# Altium PCB sugar65V2_ARGB_QMK(1).PcbDoc (part 2 of 8)
Units mm, origin at the board's own origin, x right, y up, seen from the top; angles counter-clockwise.
Board outline 416.94 x 174.37 mm, 2 copper layers (Top Layer, Bottom Layer); 304 components, 242 nets, 11102 pads, 1014 vias.
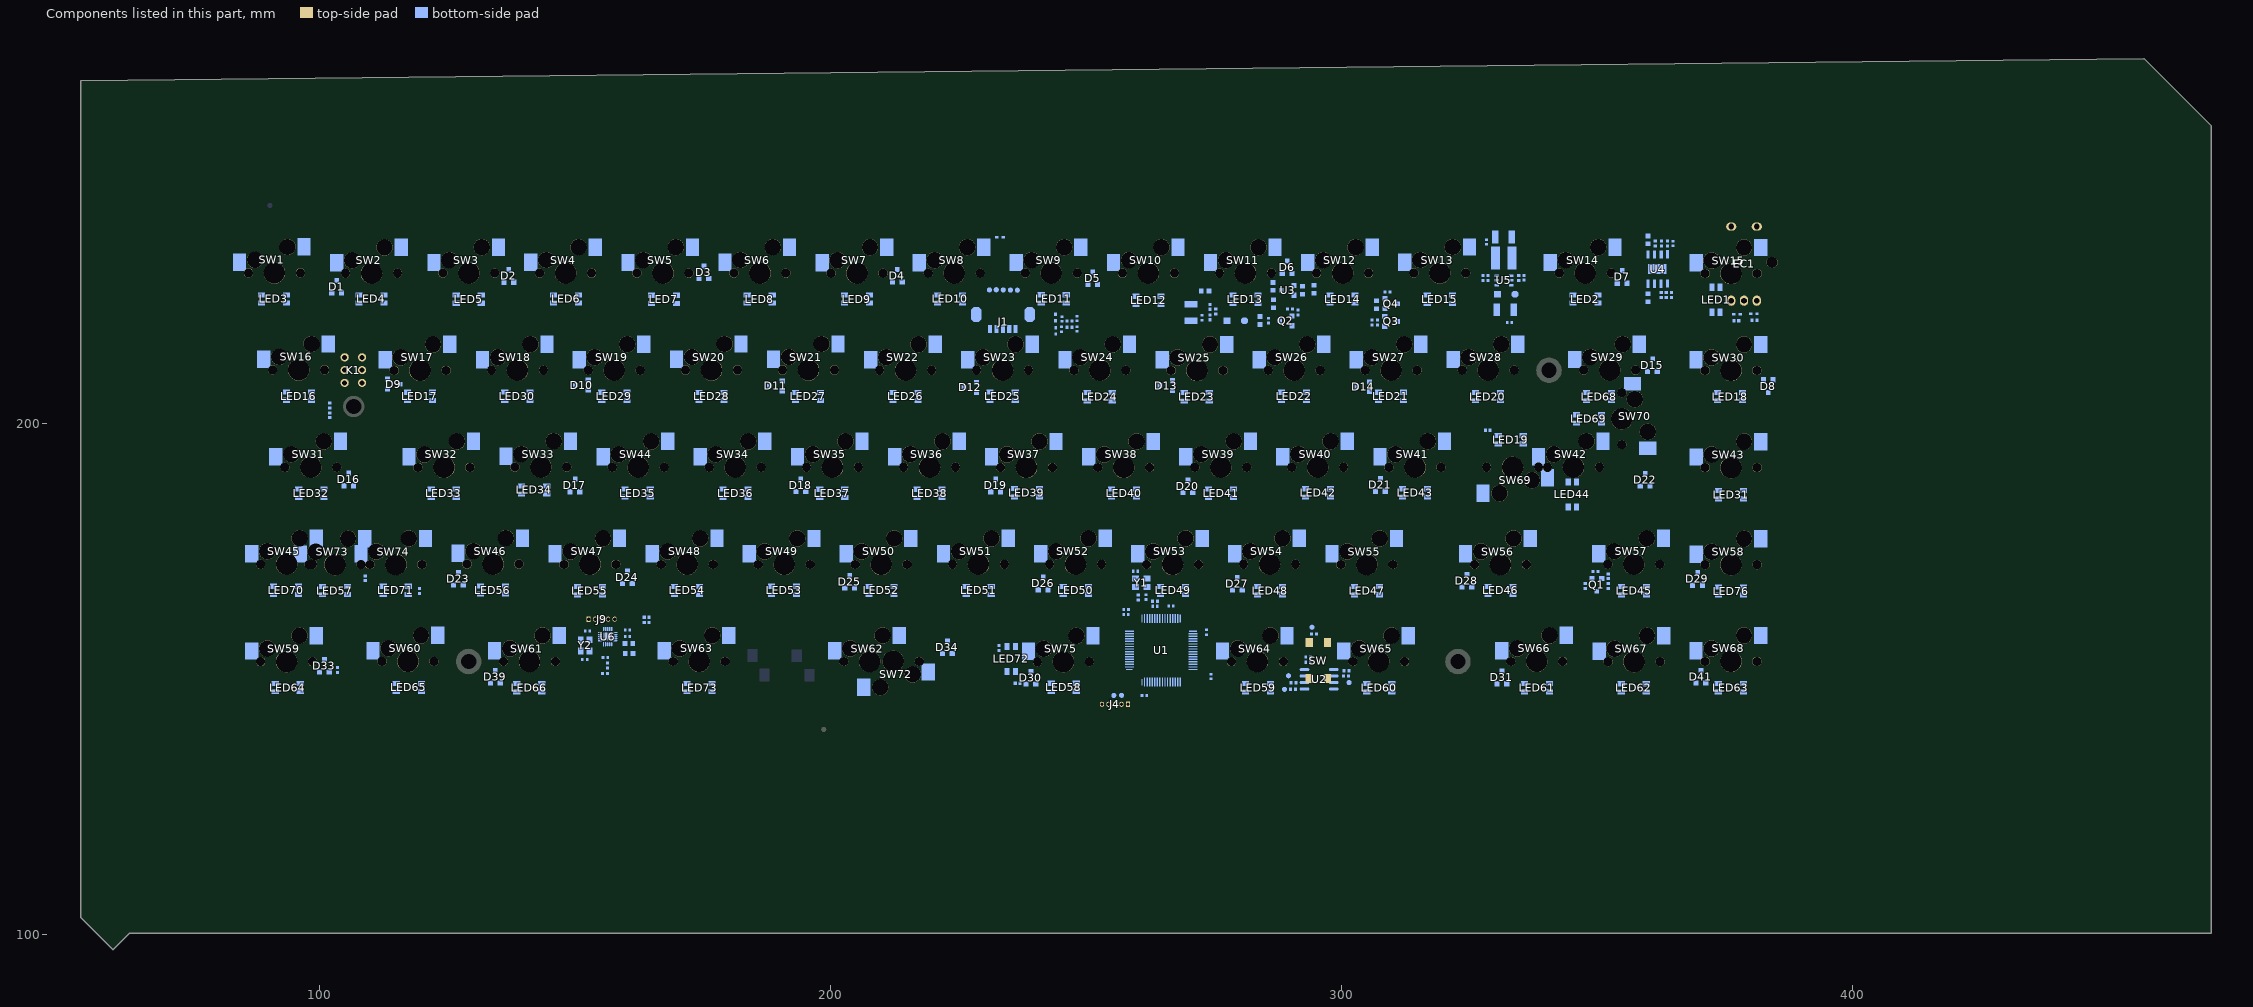
[diagram p2: the components of this part, seen from the top]

## Free pads (board coordinates)
  round 1 smd far side: 0(90.4,242.66)
  round 1 all layers, no hole: 0(198.76,140.14)
  round 0.1 on Mech7: 1(80.945,237.878) 1(80.945,237.878) 1(80.965,144.899) 1(80.965,144.899) 1(82.227,143.559) 1(82.227,143.559) 1(82.402,239.244) 1(82.402,239.244) 1(88.565,242.809) 1(88.565,242.809) 1(88.565,139.989) 1(88.565,139.989) 1(88.565,140.571) 1(88.565,140.571) 1(88.565,242.189) 1(88.565,242.189) 1(89.48,222.69) 1(89.48,222.69) 1(89.48,225.99) 1(89.48,225.99) 1(89.974,240.739) 1(89.974,240.739) 1(89.995,244.259) 1(89.995,244.259) 1(90.056,138.539) 1(90.056,138.539) 1(91.855,146.739) 1(91.855,146.739) 1(91.855,149.939) 1(91.855,149.939) 1(91.855,165.74) 1(91.855,165.74) 1(91.855,168.939) 1(91.855,168.939) 1(93.08,222.69) 1(93.08,222.69) 1(93.08,225.99) 1(93.08,225.99) 1(94.23,203.739) 1(94.23,203.739) 1(94.23,206.939) 1(94.23,206.939) 1(95.455,146.739) 1(95.455,146.739) 1(95.455,149.939) 1(95.455,149.939) 1(96.605,184.739) 1(96.605,184.739) 1(96.605,187.939) 1(96.605,187.939) 1(97.83,203.739) 1(97.83,203.739) 1(97.83,206.939) 1(97.83,206.939) 1(100.205,184.739) 1(100.205,184.739) 1(100.205,187.939) 1(100.205,187.939) 1(101.355,165.739) 1(101.355,165.739) 1(101.355,168.939) 1(101.355,168.939) 1(108.284,142.049) 1(108.284,142.049) 1(108.295,143.549) 1(108.295,143.549) 1(108.305,239.244) 1(108.305,240.744) 1(108.305,239.244) 1(108.305,240.744) 1(108.43,222.74) 1(108.43,222.74) 1(108.43,225.94) 1(108.43,225.94) 1(109.73,200.919) 1(109.73,200.919) 1(109.73,215.328) 1(109.73,215.328) 1(110.23,200.419) 1(110.23,200.419) 1(110.83,215.328) 1(110.83,201.419) 1(110.83,201.419) 1(110.83,215.328) 1(112.13,222.74) 1(112.13,222.74) 1(112.13,225.94) 1(112.13,225.94) 1(112.805,142.044) 1(112.805,142.044) 1(112.805,143.544) 1(112.805,143.544) 1(112.805,239.244) 1(112.805,239.244) 1(112.805,240.744) 1(112.805,240.744) 1(113.23,165.74) 1(113.23,165.74) 1(113.23,168.939) 1(113.23,168.939) 1(115.53,186.719) 1(115.53,186.719) 1(115.53,200.411) 1(115.53,200.411) 1(115.605,146.739) 1(115.605,146.739) 1(115.605,149.939) 1(115.605,149.939) 1(116.83,165.74) 1(116.83,165.74) 1(116.83,168.939) 1(116.83,168.939) 1(117.98,203.739) 1(117.98,203.739) 1(117.98,206.939) 1(117.98,206.939) 1(119.205,146.739) 1(119.205,146.739) 1(119.205,149.939) 1(119.205,149.939) 1(121.58,203.739) 1(121.58,203.739) 1(121.58,206.939) 1(121.58,206.939) 1(122.63,184.739) 1(122.63,184.739) 1(122.63,187.939) 1(122.63,187.939) 1(124.03,167.795) 1(124.03,167.795) 1(124.03,179.995) 1(124.03,179.995) 1(124.53,180.494) 1(124.53,180.494) 1(125.03,167.795) 1(125.03,179.494) 1(125.03,179.494) 1(125.03,167.795) 1(126.23,184.739) 1(126.23,184.739) 1(126.23,187.939) 1(126.23,187.939) 1(127.43,222.74) 1(127.43,222.74) 1(127.43,225.94) 1(127.43,225.94) 1(128.78,201.419) 1(128.78,201.419) 1(128.78,215.419) 1(128.78,215.419) 1(129.83,201.419) 1(129.83,201.419) 1(129.83,215.419) 1(129.83,215.419) 1(131.13,222.74) 1(131.13,222.74) 1(131.13,225.94) 1(131.13,225.94) 1(132.23,165.815) 1(132.23,165.815) 1(132.23,169.015) 1(132.23,169.015) 1(134.53,186.719) 1(134.53,186.719) 1(134.53,200.419) 1(134.53,200.419) 1(135.83,165.815) 1(135.83,165.815) 1(135.83,169.015) 1(135.83,169.015) 1(136.98,203.739) 1(136.98,203.739) 1(136.98,206.939) 1(136.98,206.939) 1(138.805,142.044) 1(138.805,142.044) 1(138.805,143.544) 1(138.805,143.544) 1(138.805,239.244) 1(138.805,239.244) 1(138.805,240.744) 1(138.805,240.744) 1(139.355,146.739) 1(139.355,146.739) 1(139.355,149.939) 1(139.355,149.939) 1(140.58,203.739) 1(140.58,203.739) 1(140.58,206.939) 1(140.58,206.939) 1(141.63,184.739) 1(141.63,184.739) 1(141.63,187.939) 1(141.63,187.939) 1(142.955,146.739) 1(142.955,146.739) 1(142.955,149.939) 1(142.955,149.939) 1(143.03,167.794) 1(143.03,167.795) 1(143.03,179.494) 1(143.03,179.494) 1(143.195,239.249) 1(143.195,239.249) 1(143.195,240.739) 1(143.195,240.739) 1(143.275,142.049) 1(143.275,142.049) 1(143.285,143.539) 1(143.285,143.539) 1(144.03,167.795) 1(144.03,167.795) 1(144.03,179.495) 1(144.03,179.495) 1(145.23,184.739) 1(145.23,184.739) 1(145.23,187.939) 1(145.23,187.939) 1(146.43,222.74) 1(146.43,222.74) 1(146.43,225.94) 1(146.43,225.94) 1(147.78,201.419) 1(147.78,201.419) 1(147.78,215.419) 1(147.78,215.419) 1(148.78,201.419) 1(148.78,201.419) 1(148.78,215.419) 1(148.78,215.419) 1(150.13,222.74) 1(150.13,222.74) 1(150.13,225.94) 1(150.13,225.94) 1(152.53,186.419) 1(152.53,186.419) 1(152.53,200.419) 1(152.53,200.419) 1(153.53,186.419) 1(153.53,186.419) 1(153.53,200.422) 1(153.53,200.422) 1(154.83,165.739) 1(154.83,165.739) 1(154.83,168.939) 1(154.83,168.939) 1(155.98,203.739) 1(155.98,203.739) 1(155.98,206.939) 1(155.98,206.939) 1(159.58,203.739) 1(159.58,203.739) 1(159.58,206.939) 1(159.58,206.939) 1(161.476,138.539) 1(161.476,138.539) 1(161.484,142.039) 1(161.484,142.039) 1(161.536,244.249) 1(161.536,244.249) 1(161.555,239.249) 1(161.555,239.249) 1(161.555,240.744) 1(161.555,240.744) 1(162.03,172.495) 1(162.03,172.495) 1(162.03,179.495) 1(162.03,179.495) 1(163.03,172.495) 1(163.03,172.495) 1(163.03,179.495) 1(163.03,179.495) 1(163.035,242.779) 1(163.035,242.779) 1(163.045,242.208) 1(163.045,242.208) 1(163.045,140.629) 1(163.045,140.629) 1(163.055,140.009) 1(163.055,140.009) 1(164.23,184.739) 1(164.23,184.739) 1(164.23,187.939) 1(164.23,187.939) 1(165.43,222.74) 1(165.43,222.74) 1(165.43,225.94) 1(165.43,225.94) 1(166.78,201.419) 1(166.78,201.419) 1(166.78,215.469) 1(166.78,215.469) 1(167.78,201.419) 1(167.78,201.419) 1(167.78,215.469) 1(167.78,215.469) 1(169.13,222.74) 1(169.13,222.74) 1(169.13,225.94) 1(169.13,225.94) 1(171.53,186.469) 1(171.53,200.422) 1(171.53,200.422) 1(171.53,186.47) 1(172.53,186.469) 1(172.53,200.418) 1(172.53,200.418) 1(172.53,186.469) 1(172.605,146.739) 1(172.605,146.739) 1(172.605,149.939) 1(172.605,149.939) 1(173.83,165.739) 1(173.83,165.739) 1(173.83,168.939) 1(173.83,168.939) 1(174.98,203.739) 1(174.98,203.739) 1(174.98,206.939) 1(174.98,206.939) 1(176.205,146.739) 1(176.205,146.739) 1(176.205,149.939) 1(176.205,149.939) 1(178.58,203.739) 1(178.58,203.739) 1(178.58,206.939) 1(178.58,206.939) 1(181.03,167.795) 1(181.03,167.795) 1(181.03,179.495) 1(181.03,179.495) 1(182.03,167.795) 1(182.03,167.795) 1(182.03,179.494) 1(182.03,179.494) 1(183.23,184.739) 1(183.23,184.739) 1(183.23,187.939) 1(183.23,187.939) 1(185.78,201.419) 1(185.78,201.419) 1(185.78,215.419) 1(185.78,215.419) 1(186.78,201.419) 1(186.78,201.419) 1(186.78,215.419) 1(186.78,215.419) 1(187.568,152.269) 1(187.568,152.269) 1(187.568,155.519) 1(187.568,155.519) 1(188.08,222.69) 1(188.08,222.69) 1(188.08,225.94) 1(188.08,225.94) 1(189.03,179.494) 1(189.03,179.494) 1(189.03,180.494) 1(189.03,180.494) 1(190.53,186.419) 1(190.53,186.419) 1(190.53,200.418) 1(190.53,200.418) 1(191.293,152.269) 1(191.293,152.269) 1(191.293,155.519) 1(191.293,155.519) 1(191.53,186.419) 1(191.53,186.419) 1(191.53,200.419) 1(191.53,200.419) 1(192.83,165.739) 1(192.83,165.739) 1(192.83,168.939) 1(192.83,168.939) 1(193.03,179.503) 1(193.03,180.494) 1(193.03,179.503) 1(193.03,180.494) 1(193.98,203.739) 1(193.98,203.739) 1(193.98,206.939) 1(193.98,206.939) 1(196.535,242.788) 1(196.535,242.788) 1(196.535,242.189) 1(196.535,242.189) 1(197.58,203.739) 1(197.58,203.739) 1(197.58,206.939) 1(197.58,206.939) 1(197.845,138.559) 1(197.845,138.559) 1(197.845,142.049) 1(197.845,142.049) 1(198.024,244.259) 1(198.024,244.259) 1(198.026,240.759) 1(198.026,240.759) 1(198.055,239.219) 1(198.055,239.219) 1(200.03,167.795) 1(200.03,167.795) 1(200.03,179.503) 1(200.03,179.503) 1(201.03,167.795) 1(201.03,167.795) 1(201.03,179.495) 1(201.03,179.495) 1(202.23,184.739) 1(202.23,184.739) 1(202.23,187.939) 1(202.23,187.939) 1(203.48,222.739) 1(203.48,222.739) 1(203.48,225.939) 1(203.48,225.939) 1(204.78,201.419) 1(204.78,201.419) 1(204.78,215.419) 1(204.78,215.419) 1(205.78,201.419) 1(205.78,201.419) 1(205.78,215.419) 1(205.78,215.419) 1(207.08,222.739) 1(207.08,222.739) 1(207.08,225.939) 1(207.08,225.939) 1(208.23,165.739) 1(208.23,165.739) 1(208.23,168.939) 1(208.23,168.939) 1(209.53,186.419) 1(209.53,186.419) 1(209.53,200.419) 1(209.53,200.419) 1(210.53,186.419) 1(210.53,186.419) 1(210.53,200.419) 1(210.53,200.419) 1(211.83,165.739) 1(211.83,165.739) 1(211.83,168.939) 1(211.83,168.939) 1(216.295,142.049) 1(216.295,142.049) 1(216.295,143.539) 1(216.295,143.539) 1(216.341,240.749) 1(216.341,240.749) 1(216.352,239.229) 1(216.352,239.229) 1(216.58,203.739) 1(216.58,203.739) 1(216.58,206.939) 1(216.58,206.939) 1(217.63,184.739) 1(217.63,184.739) 1(217.63,187.939) 1(217.63,187.939) 1(219.03,167.795) 1(219.03,167.795) 1(219.03,179.495) 1(219.03,179.495) 1(220.03,167.795) 1(220.03,167.795) 1(220.03,179.495) 1(220.03,179.495) 1(220.805,142.044) 1(220.805,142.044) 1(220.805,143.544) 1(220.805,143.544) 1(220.805,239.244) 1(220.805,239.244) 1(220.805,240.744) 1(220.805,240.744) 1(221.23,184.739) 1(221.23,184.739) 1(221.23,187.939) 1(221.23,187.939) 1(221.685,222.69) 1(221.685,222.69) 1(221.685,225.94) 1(221.685,225.94) 1(223.777,201.419) 1(223.777,201.419) 1(223.777,215.419) 1(223.777,215.419) 1(224.78,201.419) 1(224.78,201.419) 1(224.78,215.419) 1(224.78,215.419) 1(225.255,222.69) 1(225.255,222.69) 1(225.255,225.94) 1(225.255,225.94) 1(227.23,165.739) 1(227.23,165.739) 1(227.23,168.939) 1(227.23,168.939) 1(228.53,186.419) 1(228.53,186.419) 1(228.53,200.419) 1(228.53,200.419) 1(229.53,186.419) 1(229.53,186.419) 1(229.53,200.419) 1(229.53,200.419) 1(230.83,165.739) 1(230.83,165.739) 1(230.83,168.939) 1(230.83,168.939) 1(233.768,152.044) 1(233.768,152.044) 1(233.768,155.794) 1(233.768,155.794) 1(235.58,203.739) 1(235.58,203.739) 1(235.58,206.939) 1(235.58,206.939) 1(236.63,184.739) 1(236.63,184.739) 1(236.63,187.939) 1(236.63,187.939) 1(237.068,152.044) 1(237.068,152.044) 1(237.068,155.794) 1(237.068,155.794) 1(238.03,167.795) 1(238.03,167.795) 1(238.03,179.495) 1(238.03,179.495) 1(239.03,167.795) 1(239.03,167.795) 1(239.03,179.494) 1(239.03,179.494) 1(240.23,184.739) 1(240.23,184.739) 1(240.23,187.939) 1(240.23,187.939) 1(241.985,222.74) 1(241.985,222.74) 1(241.985,225.94) 1(241.985,225.94) 1(242.78,201.419) 1(242.78,201.419) 1(242.78,215.419) 1(242.78,215.419) 1(243.78,215.419) 1(243.78,201.419) 1(243.78,201.419) 1(243.78,215.419) 1(243.855,146.739) 1(243.855,146.739) 1(243.855,149.939) 1(243.855,149.939) 1(245.585,222.74) 1(245.585,222.74) 1(245.585,225.94) 1(245.585,225.94) 1(246.03,179.494) 1(246.03,180.494) 1(246.03,179.494) 1(246.03,180.494) 1(246.23,165.739) 1(246.23,165.739) 1(246.23,168.939) 1(246.23,168.939) 1(246.805,142.044) 1(246.805,142.044) 1(246.805,143.544) 1(246.805,143.544) 1(246.805,239.244) 1(246.805,239.244) 1(246.805,240.744) 1(246.805,240.744) 1(247.455,146.739) 1(247.455,146.739) 1(247.455,149.939) 1(247.455,149.939) 1(247.53,186.419) 1(247.53,186.419) 1(247.53,200.419) 1(247.53,200.419) 1(248.53,186.419) 1(248.53,186.419) 1(248.53,200.419) 1(248.53,200.419) 1(249.83,165.739) 1(249.83,165.739) 1(249.83,168.939) 1(249.83,168.939) 1(250.03,179.494) 1(250.03,180.494) 1(251.295,142.049) 1(251.295,142.049) 1(251.296,143.549) 1(251.296,143.549) 1(251.305,239.239) 1(251.305,239.239) 1(251.305,240.744) 1(251.305,240.744) 1(254.58,203.739) 1(254.58,203.739) 1(254.58,206.939) 1(254.58,206.939) 1(254.805,240.759) 1(254.805,240.759) 1(255.63,184.739) 1(255.63,184.739) 1(255.63,187.939) 1(255.63,187.939) 1(257.03,167.794) 1(257.03,167.795) 1(257.03,179.494) 1(257.03,179.494) 1(258.03,167.795) 1(258.03,167.795) 1(258.03,179.494) 1(258.03,179.494) 1(259.23,184.739) 1(259.23,184.739) 1(259.23,187.939) 1(259.23,187.939) 1(260.48,222.739) 1(260.48,222.739) 1(260.48,225.939) 1(260.48,225.939) 1(261.78,201.419) 1(261.78,201.419) 1(261.78,215.419) 1(261.78,215.419) 1(262.78,201.419) 1(262.78,201.419) 1(262.78,215.419) 1(262.78,215.419) 1(264.08,222.739) 1(264.08,222.739) 1(264.08,225.939) 1(264.08,225.939) 1(265.23,165.739) 1(265.23,165.739) 1(265.23,168.939) 1(265.23,168.939) 1(266.53,186.419) 1(266.53,186.419) 1(266.53,200.419) 1(266.53,200.419) 1(267.53,186.419) 1(267.53,186.419) 1(267.53,200.419) 1(267.53,200.419) 1(268.83,165.739) 1(268.83,165.739) 1(268.83,168.939) 1(268.83,168.939) 1(269.265,142.039) 1(269.265,142.039) 1(269.265,143.529) 1(269.265,143.529) 1(269.484,142.039) 1(269.484,142.039) 1(269.514,138.539) 1(269.514,138.539) 1(269.554,244.259) 1(269.554,244.259) 1(269.554,240.744) 1(269.554,240.744) 1(271.045,140.619) 1(271.045,140.619) 1(271.055,242.82) 1(271.055,242.82) 1(271.055,242.219) 1(271.055,242.219) 1(271.055,140.019) 1(271.055,140.019) 1(274.63,184.739) 1(274.63,184.739) 1(274.63,187.939) 1(274.63,187.939) 1(276.03,167.795) 1(276.03,179.494) 1(276.03,179.494) 1(276.03,167.795) 1(277.03,167.795) 1(277.03,179.495) 1(277.03,179.495) 1(277.03,167.794) 1(278.23,184.739) 1(278.23,184.739) 1(278.23,187.939) 1(278.23,187.939) 1(279.48,222.739) 1(279.48,222.739) 1(279.48,225.939) 1(279.48,225.939) 1(280.785,215.419) 1(280.785,201.419) 1(280.785,201.419) 1(280.785,215.419) 1(281.78,201.419) 1(281.78,201.419) 1(281.78,215.419) 1(281.78,215.419) 1(281.855,146.739) 1(281.855,146.739) 1(281.855,149.939) 1(281.855,149.939) 1(283.08,222.739) 1(283.08,222.739) 1(283.08,225.939) 1(283.08,225.939) 1(284.23,165.739) 1(284.23,165.739) 1(284.23,168.939) 1(284.23,168.939) 1(285.455,146.739) 1(285.455,146.739) 1(285.455,149.939) 1(285.455,149.939) 1(285.53,186.419) 1(285.53,200.419) 1(285.53,200.419) 1(285.53,186.419) 1(286.53,186.419) 1(286.53,186.419) 1(286.53,200.419) 1(286.53,200.419) 1(287.83,165.739) 1(287.83,165.739) 1(287.83,168.939) 1(287.83,168.939) 1(288.98,203.739) 1(288.98,203.739) 1(288.98,206.939) 1(288.98,206.939) 1(292.58,203.739) 1(292.58,203.739) 1(292.58,206.939) 1(292.58,206.939) 1(293.63,184.739) 1(293.63,184.739) 1(293.63,187.939) 1(293.63,187.939) 1(295.03,167.795) 1(295.03,167.795) 1(295.03,179.495) 1(295.03,179.495) 1(296.03,167.795) 1(296.03,179.498) 1(296.03,179.498) 1(296.03,167.795) 1(297.23,184.739) 1(297.23,184.739) 1(297.23,187.939) 1(297.23,187.939) 1(298.48,222.739) 1(298.48,222.739) 1(298.48,225.939) 1(298.48,225.939) 1(299.78,201.419) 1(299.78,201.419) 1(299.78,215.419) 1(299.78,215.419) 1(300.78,201.419) 1(300.78,201.419) 1(300.78,215.419) 1(300.78,215.419) 1(302.08,222.739) 1(302.08,222.739) 1(302.08,225.939) 1(302.08,225.939) 1(303.23,165.739) 1(303.23,165.739) 1(303.23,168.939) 1(303.23,168.939) 1(304.53,186.419) 1(304.53,186.419) 1(304.53,200.419) 1(304.53,200.419) 1(304.555,140.029) 1(304.555,140.029) 1(304.555,242.245) 1(304.555,242.245) 1(304.555,242.744) 1(304.555,242.744) 1(304.555,140.59) 1(304.555,140.59) 1(305.53,186.42) 1(305.53,186.419) 1(305.53,200.434) 1(305.53,200.434) 1(305.605,146.739) 1(305.605,146.739) 1(305.605,149.939) 1(305.605,149.939) 1(306.043,138.549) 1(306.043,138.549) 1(306.046,142.049) 1(306.046,142.049) 1(306.053,240.739) 1(306.053,240.739) 1(306.055,244.258) 1(306.055,244.258) 1(306.83,165.739) 1(306.83,165.739) 1(306.83,168.939) 1(306.83,168.939) 1(307.98,203.739) 1(307.98,203.739) 1(307.98,206.939) 1(307.98,206.939) 1(309.205,146.739) 1(309.205,146.739) 1(309.205,149.939) 1(309.205,149.939) 1(311.58,203.739) 1(311.58,203.739) 1(311.58,206.939) 1(311.58,206.939) 1(312.63,184.739) 1(312.63,184.739) 1(312.63,187.939) 1(312.63,187.939) 1(314.03,167.794) 1(314.03,167.795) 1(314.03,179.498) 1(314.03,179.498) 1(314.53,180.494) 1(314.53,180.494) 1(315.055,167.795) 1(315.055,179.969) 1(315.055,179.969) 1(315.055,167.794) 1(316.23,184.739) 1(316.23,184.739) 1(316.23,187.939) 1(316.23,187.939) 1(317.48,222.739) 1(317.48,222.739) 1(317.48,225.939) 1(317.48,225.939) 1(318.782,201.419) 1(318.782,201.419) 1(318.782,215.419) 1(318.782,215.419) 1(319.78,201.418) 1(319.78,201.418) 1(319.78,215.419) 1(319.78,215.419) 1(321.485,239.239) 1(321.485,239.239) 1(323.53,186.419) 1(323.53,186.419) 1(323.53,200.434) 1(323.53,200.434) 1(324.265,142.049) 1(324.265,142.049) 1(324.287,143.529) 1(324.287,143.529) 1(324.305,142.059) 1(324.305,142.059) 1(324.305,239.244) 1(324.305,239.244) 1(324.305,240.739) 1(324.305,240.739) 1(324.48,186.419) 1(324.48,186.419) 1(324.48,200.394) 1(324.48,200.394) 1(326.98,203.739) 1(326.98,203.739) 1(326.98,206.939) 1(326.98,206.939) 1(328.805,142.044) 1(328.805,142.044) 1(328.805,143.544) 1(328.805,143.544) 1(328.805,239.244) 1(328.805,239.244) 1(328.805,240.744) 1(328.805,240.744) 1(328.805,240.745) 1(328.805,240.745) 1(329.355,165.739) 1(329.355,165.739) 1(329.355,168.939) 1(329.355,168.939) 1(330.58,203.739) 1(330.58,203.739) 1(330.58,206.939) 1(330.58,206.939) 1(331.78,194.795) 1(331.78,194.795) 1(331.78,198.495) 1(331.78,198.495) 1(332.955,165.739) 1(332.955,165.739) 1(332.955,168.939) 1(332.955,168.939) 1(335.03,194.795) 1(335.03,194.795) 1(335.03,198.495) 1(335.03,198.495) 1(336.48,146.739) 1(336.48,146.739) 1(336.48,149.939) 1(336.48,149.939) 1(336.78,201.418) 1(336.78,201.418) 1(336.78,215.419) 1(336.78,215.419) 1(337.255,200.394) 1(337.255,200.394) 1(337.78,200.919) 1(337.78,215.419) 1(337.78,215.419) 1(337.78,200.919) 1(343.615,184.32) 1(343.615,184.32) 1(343.615,187.889) 1(343.615,187.889) 1(345.98,222.739) 1(345.98,222.739) 1(345.98,225.939) 1(345.98,225.939) 1(346.774,199.294) 1(346.774,199.294) 1(346.774,202.544) 1(346.774,202.544) 1(346.826,184.32) 1(346.826,184.32) 1(346.826,187.889) 1(346.826,187.889) 1(349.58,222.739) 1(349.58,222.739) 1(349.58,225.939) 1(349.58,225.939) 1(350.574,199.294) 1(350.574,199.294) 1(350.574,202.544) 1(350.574,202.544) 1(352.246,203.637) 1(352.246,203.637) 1(352.246,206.837) 1(352.246,206.837) 1(354.805,239.244) 1(354.805,240.744) 1(354.805,142.044) 1(354.805,142.044) 1(354.805,143.544) 1(354.805,143.544) 1(354.805,239.244) 1(354.805,240.744) 1(355.48,146.739) 1(355.48,146.739) 1(355.48,149.939) 1(355.48,149.939) 1(355.48,165.739) 1(355.48,165.739) 1(355.48,168.939) 1(355.48,168.939) 1(359.305,142.029) 1(359.305,142.029) 1(359.305,143.539) 1(359.305,143.539) 1(359.305,239.245) 1(359.305,239.245) 1(359.305,240.744) 1(359.305,240.744) 1(371.658,222.393) 1(371.658,222.393) 1(371.658,226.107) 1(371.658,226.107) 1(374.48,146.739) 1(374.48,146.739) 1(374.48,149.939) 1(374.48,149.939) 1(374.48,165.663) 1(374.48,165.663) 1(374.48,168.863) 1(374.48,168.863) 1(374.48,184.663) 1(374.48,184.663) 1(374.48,187.863) 1(374.48,187.863) 1(374.48,203.663) 1(374.48,203.663) 1(374.48,206.863) 1(374.48,206.863) 1(375.136,222.393) 1(375.136,222.393) 1(375.136,226.107) 1(375.136,226.107) 1(377.554,244.258) 1(377.554,244.258) 1(377.555,240.749) 1(377.565,142.039) 1(377.565,142.039) 1(377.576,138.539) 1(377.576,138.539) 1(379.053,242.247) 1(379.053,242.247) 1(379.062,242.752) 1(379.062,242.752) 1(379.065,140.6) 1(379.065,140.6) 1(379.065,139.98) 1(379.065,139.98) 1(385.254,143.539) 1(385.254,143.539) 1(385.326,239.259) 1(385.326,239.259) 1(386.655,237.918)
  round 0.13 on Mech8: 1(83.582,221.201) 1(83.582,221.201) 1(83.582,236.701) 1(83.582,236.701) 1(85.957,145.201) 1(85.957,145.201) 1(85.957,160.701) 1(85.957,160.701) 1(85.958,164.202) 1(85.958,164.202) 1(85.958,179.702) 1(85.958,179.702) 1(88.332,202.201) 1(88.332,202.201) 1(88.332,217.701) 1(88.332,217.701) 1(90.707,183.201) 1(90.707,183.201) 1(90.707,198.701) 1(90.707,198.701) 1(95.457,164.201) 1(95.457,164.201) 1(95.457,179.701) 1(95.457,179.701) 1(98.882,221.201) 1(98.882,221.201) 1(98.882,236.701) 1(98.882,236.701) 1(101.257,145.201) 1(101.257,145.201) 1(101.257,160.701) 1(101.257,160.701) 1(101.258,164.202) 1(101.258,164.202) 1(101.258,179.702) 1(101.258,179.702) 1(102.583,221.201) 1(102.583,221.201) 1(102.583,236.701) 1(102.583,236.701) 1(103.632,202.201) 1(103.632,202.201) 1(103.632,217.701) 1(103.632,217.701) 1(106.007,183.201) 1(106.007,183.201) 1(106.007,198.701) 1(106.007,198.701) 1(107.333,164.202) 1(107.333,164.202) 1(107.333,179.702) 1(107.333,179.702) 1(109.708,145.201) 1(109.708,145.201) 1(109.708,160.701) 1(109.708,160.701) 1(110.757,164.201) 1(110.757,164.201) 1(110.757,179.701) 1(110.757,179.701) 1(112.083,202.201) 1(112.083,202.201) 1(112.083,217.701) 1(112.083,217.701) 1(116.733,183.201) 1(116.733,183.201) 1(116.733,198.701) 1(116.733,198.701) 1(117.882,221.201) 1(117.882,221.201) 1(117.882,236.701) 1(117.882,236.701) 1(121.583,221.201) 1(121.583,221.201) 1(121.583,236.701) 1(121.583,236.701) 1(122.633,164.202) 1(122.633,164.202) 1(122.633,179.702) 1(122.633,179.702) 1(125.007,145.201) 1(125.007,145.201) 1(125.007,160.701) 1(125.007,160.701) 1(126.333,164.277) 1(126.333,164.277) 1(126.333,179.777) 1(126.333,179.777) 1(127.382,202.201) 1(127.382,202.201) 1(127.382,217.701) 1(127.382,217.701) 1(131.083,202.201) 1(131.083,202.201) 1(131.083,217.701) 1(131.083,217.701) 1(132.032,183.201) 1(132.032,183.201) 1(132.032,198.701) 1(132.032,198.701) 1(133.458,145.201) 1(133.458,145.201) 1(133.458,160.701) 1(133.458,160.701) 1(135.733,183.201) 1(135.733,183.201) 1(135.733,198.701) 1(135.733,198.701) 1(136.882,221.201) 1(136.882,221.201) 1(136.882,236.701) 1(136.882,236.701) 1(140.583,221.201) 1(140.583,221.201) 1(140.583,236.701) 1(140.583,236.701) 1(141.632,164.277) 1(141.632,164.277) 1(141.632,179.777) 1(141.632,179.777) 1(145.333,164.201) 1(145.333,164.201) 1(145.333,179.701) 1(145.333,179.701) 1(146.382,202.201) 1(146.382,202.201) 1(146.382,217.701) 1(146.382,217.701) 1(148.757,145.201) 1(148.757,145.201) 1(148.757,160.701) 1(148.757,160.701) 1(150.083,202.201) 1(150.083,202.201) 1(150.083,217.701) 1(150.083,217.701) 1(151.032,183.201) 1(151.032,183.201) 1(151.032,198.701) 1(151.032,198.701) 1(154.733,183.201) 1(154.733,183.201) 1(154.733,198.701) 1(154.733,198.701) 1(155.883,221.201) 1(155.883,221.201) 1(155.883,236.701) 1(155.883,236.701) 1(159.583,221.201) 1(159.583,221.201) 1(159.583,236.701) 1(159.583,236.701) 1(160.633,164.201) 1(160.633,164.201) 1(160.633,179.701) 1(160.633,179.701) 1(164.333,164.201) 1(164.333,164.201) 1(164.333,179.701) 1(164.333,179.701) 1(165.383,202.201) 1(165.383,202.201) 1(165.383,217.701) 1(165.383,217.701) 1(166.708,145.201) 1(166.708,145.201) 1(166.708,160.701) 1(166.708,160.701) 1(169.083,202.201) 1(169.083,202.201) 1(169.083,217.701) 1(169.083,217.701) 1(170.033,183.201) 1(170.033,183.201) 1(170.033,198.701) 1(170.033,198.701) 1(173.733,183.201) 1(173.733,183.201) 1(173.733,198.701) 1(173.733,198.701) 1(174.883,221.201) 1(174.883,221.201) 1(174.883,236.701) 1(174.883,236.701) 1(178.583,221.201) 1(178.583,221.201) 1(178.583,236.701) 1(178.583,236.701) 1(179.633,164.201) 1(179.633,164.201) 1(179.633,179.701) 1(179.633,179.701) 1(182.008,145.201) 1(182.008,145.201) 1(182.008,160.701) 1(182.008,160.701) 1(183.333,164.201) 1(183.333,164.201) 1(183.333,179.701) 1(183.333,179.701) 1(184.383,202.201) 1(184.383,202.201) 1(184.383,217.701) 1(184.383,217.701) 1(188.083,202.201) 1(188.083,202.201) 1(188.083,217.701) 1(188.083,217.701) 1(189.033,183.201) 1(189.033,183.201) 1(189.033,198.701) 1(189.033,198.701) 1(192.733,183.201) 1(192.733,183.201) 1(192.733,198.701) 1(192.733,198.701) 1(193.883,221.201) 1(193.883,221.201) 1(193.883,236.701) 1(193.883,236.701) 1(197.583,221.201) 1(197.583,221.201) 1(197.583,236.701) 1(197.583,236.701) 1(198.633,164.201) 1(198.633,164.201) 1(198.633,179.701) 1(198.633,179.701) 1(200.084,145.201) 1(200.084,145.201) 1(200.084,160.701) 1(200.084,160.701) 1(202.333,164.201) 1(202.333,164.201) 1(202.333,179.701) 1(202.333,179.701) 1(203.383,202.201) 1(203.383,202.201) 1(203.383,217.701) 1(203.383,217.701) 1(204.802,146.137) 1(204.802,146.137) 1(204.802,161.637) 1(204.802,161.637) 1(207.083,202.201) 1(207.083,202.201) 1(207.083,217.701) 1(207.083,217.701) 1(208.033,183.201) 1(208.033,183.201) 1(208.033,198.701) 1(208.033,198.701) 1(211.733,183.201) 1(211.733,183.201) 1(211.733,198.701) 1(211.733,198.701) 1(212.883,221.201) 1(212.883,221.201) 1(212.883,236.701) 1(212.883,236.701) 1(215.384,145.201) 1(215.384,145.201) 1(215.384,160.701) 1(215.384,160.701) 1(216.583,221.201) 1(216.583,221.201) 1(216.583,236.701) 1(216.583,236.701) 1(217.633,164.201) 1(217.633,164.201) 1(217.633,179.701) 1(217.633,179.701) 1(220.102,146.137) 1(220.102,146.137) 1(220.102,161.637) 1(220.102,161.637) 1(221.333,164.201) 1(221.333,164.201) 1(221.333,179.701) 1(221.333,179.701) 1(222.383,202.201) 1(222.383,202.201) 1(222.383,217.701) 1(222.383,217.701) 1(226.083,202.201) 1(226.083,202.201) 1(226.083,217.701) 1(226.083,217.701) 1(227.033,183.201) 1(227.033,183.201) 1(227.033,198.701) 1(227.033,198.701) 1(230.733,183.201) 1(230.733,183.201) 1(230.733,198.701) 1(230.733,198.701) 1(231.883,221.201) 1(231.883,221.201) 1(231.883,236.701) 1(231.883,236.701) 1(235.583,221.201) 1(235.583,221.201) 1(235.583,236.701) 1(235.583,236.701) 1(236.633,164.201) 1(236.633,164.201) 1(236.633,179.701) 1(236.633,179.701) 1(237.958,145.201) 1(237.958,145.201) 1(237.958,160.701) 1(237.958,160.701) 1(240.333,164.201) 1(240.333,164.201) 1(240.333,179.701) 1(240.333,179.701) 1(241.383,202.201) 1(241.383,202.201) 1(241.383,217.701) 1(241.383,217.701) 1(245.083,202.201) 1(245.083,202.201) 1(245.083,217.701) 1(245.083,217.701) 1(246.033,183.201) 1(246.033,183.201) 1(246.033,198.701) 1(246.033,198.701) 1(249.733,183.201) 1(249.733,183.201) 1(249.733,198.701) 1(249.733,198.701) 1(250.883,221.201) 1(250.883,221.201) 1(250.883,236.701) 1(250.883,236.701) 1(253.258,145.201) 1(253.258,145.201) 1(254.583,221.201) 1(254.583,221.201) 1(254.583,236.701) 1(254.583,236.701) 1(255.633,164.201) 1(255.633,164.201) 1(255.633,179.701) 1(255.633,179.701) 1(259.333,164.201) 1(259.333,164.201) 1(259.333,179.701) 1(259.333,179.701) 1(260.383,202.201) 1(260.383,202.201) 1(260.383,217.701) 1(260.383,217.701) 1(264.083,202.201) 1(264.083,202.201) 1(264.083,217.701) 1(264.083,217.701) 1(265.033,183.201) 1(265.033,183.201) 1(265.033,198.701) 1(265.033,198.701) 1(268.733,183.201) 1(268.733,183.201) 1(268.733,198.701) 1(268.733,198.701) 1(269.883,221.201) 1(269.883,221.201) 1(269.883,236.701) 1(269.883,236.701) 1(273.583,221.201) 1(273.583,221.201) 1(273.583,236.701) 1(273.583,236.701) 1(274.633,164.201) 1(274.633,164.201) 1(274.633,179.701) 1(274.633,179.701) 1(275.958,145.201) 1(275.958,145.201) 1(275.958,160.701) 1(275.958,160.701) 1(278.333,164.201) 1(278.333,164.201) 1(278.333,179.701) 1(278.333,179.701) 1(279.383,202.201) 1(279.383,202.201) 1(279.383,217.701) 1(279.383,217.701) 1(283.083,202.201) 1(283.083,202.201) 1(283.083,217.701) 1(283.083,217.701) 1(284.033,183.201) 1(284.033,183.201) 1(284.033,198.701) 1(284.033,198.701) 1(287.733,183.201) 1(287.733,183.201) 1(287.733,198.701) 1(287.733,198.701) 1(288.883,221.201) 1(288.883,221.201) 1(288.883,236.701) 1(288.883,236.701) 1(291.258,145.201) 1(291.258,145.201) 1(291.258,160.701) 1(291.258,160.701) 1(292.583,221.201) 1(292.583,221.201) 1(292.583,236.701) 1(292.583,236.701) 1(293.633,164.201) 1(293.633,164.201) 1(293.633,179.701) 1(293.633,179.701) 1(297.333,164.201) 1(297.333,164.201) 1(297.333,179.701) 1(297.333,179.701) 1(297.941,241.997) 1(297.941,241.997) 1(298.383,202.201) 1(298.383,202.201) 1(298.383,217.701) 1(298.383,217.701) 1(299.708,145.201) 1(299.708,145.201) 1(299.708,160.701) 1(299.708,160.701) 1(302.083,202.201) 1(302.083,202.201) 1(302.083,217.701) 1(302.083,217.701) 1(303.033,183.201) 1(303.033,183.201) 1(303.033,198.701) 1(303.033,198.701) 1(306.733,183.201) 1(306.733,183.201) 1(306.733,198.701) 1(306.733,198.701) 1(307.883,221.201) 1(307.883,221.201) 1(307.883,236.701) 1(307.883,236.701) 1(311.583,221.201) 1(311.583,221.201) 1(311.583,236.701) 1(311.583,236.701) 1(312.633,164.201) 1(312.633,164.201) 1(312.633,179.701) 1(312.633,179.701) 1(315.008,145.201) 1(315.008,145.201) 1(315.008,160.701) 1(315.008,160.701) 1(317.383,202.201) 1(317.383,202.201) 1(317.383,217.701) 1(317.383,217.701) 1(321.083,202.201) 1(321.083,202.201) 1(321.083,217.701) 1(321.083,217.701) 1(322.033,183.201) 1(322.033,183.201) 1(322.033,198.701) 1(322.033,198.701) 1(323.458,164.201) 1(323.458,164.201) 1(323.458,179.701) 1(323.458,179.701) 1(325.927,184.137) 1(325.927,184.137) 1(325.927,199.637) 1(325.927,199.637) 1(326.883,221.201) 1(326.883,221.201) 1(326.883,236.701) 1(326.883,236.701) 1(327.069,251.138) 1(327.069,251.138) 1(330.583,145.201) 1(330.583,145.201) 1(330.583,160.701) 1(330.583,160.701) 1(336.383,202.201) 1(336.383,202.201) 1(336.383,217.701) 1(336.383,217.701) 1(337.708,183.201) 1(337.708,183.201) 1(337.708,198.701) 1(337.708,198.701) 1(338.758,179.701) 1(338.758,179.701) 1(340.083,221.201) 1(340.083,221.201) 1(340.083,236.701) 1(340.083,236.701) 1(341.227,184.137) 1(341.227,184.137) 1(341.227,199.637) 1(341.227,199.637) 1(344.833,202.201) 1(344.833,202.201) 1(344.833,217.701) 1(344.833,217.701) 1(345.883,145.201) 1(345.883,145.201) 1(345.883,160.701) 1(345.883,160.701) 1(346.687,193.317) 1(346.687,193.317) 1(346.687,208.617) 1(346.687,208.617) 1(349.583,145.201) 1(349.583,145.201) 1(349.583,160.701) 1(349.583,160.701) 1(349.583,179.701) 1(349.583,179.701) 1(353.008,183.201) 1(353.008,183.201) 1(353.008,198.701) 1(353.008,198.701) 1(355.383,221.201) 1(355.383,221.201) 1(355.383,236.701) 1(355.383,236.701) 1(360.133,202.201) 1(360.133,202.201) 1(360.133,217.701) 1(360.133,217.701) 1(362.187,193.317) 1(362.187,193.317) 1(362.187,208.617) 1(362.187,208.617) 1(364.883,145.201) 1(364.883,145.201) 1(364.883,160.701) 1(364.883,160.701) 1(364.883,164.201) 1(364.883,164.201) 1(364.883,179.701) 1(364.883,179.701) 1(368.583,145.201) 1(368.583,145.201) 1(368.583,160.701) 1(368.583,160.701) 1(368.583,164.125) 1(368.583,164.125) 1(368.583,179.625) 1(368.583,179.625) 1(368.583,183.125) 1(368.583,183.125) 1(368.583,198.625) 1(368.583,198.625) 1(368.583,202.125) 1(368.583,202.125) 1(368.583,217.625) 1(368.583,217.625) 1(368.583,221.125) 1(368.583,221.125) 1(368.583,236.625) 1(368.583,236.625) 1(383.883,145.201) 1(383.883,145.201) 1(383.883,160.701) 1(383.883,160.701) 1(383.883,164.125) 1(383.883,164.125) 1(383.883,179.625) 1(383.883,179.625) 1(383.883,183.125) 1(383.883,183.125) 1(383.883,198.625) 1(383.883,198.625) 1(383.883,202.125) 1(383.883,202.125) 1(383.883,217.625) 1(383.883,217.625) 1(383.883,221.125) 1(383.883,221.125) 1(383.883,236.625) 1(383.883,236.625)
  round 2.003 on Mech12: 1(86.2,229.419) 1(88.575,153.419) 1(88.575,172.42) 1(90.95,210.419) 1(93.325,191.419) 1(96.36,229.419) 1(98.075,172.419) 1(98.735,153.419) 1(98.735,172.42) 1(101.11,210.419) 1(103.485,191.419) 1(105.2,229.419) 1(108.235,172.419) 1(109.95,172.42) 1(112.325,153.419) 1(114.7,210.419) 1(115.36,229.419) 1(119.35,191.419) 1(120.11,172.42) 1(122.485,153.419) 1(124.2,229.419) 1(124.86,210.419) 1(128.95,172.495) 1(129.51,191.419) 1(133.7,210.419) 1(134.36,229.419) 1(136.075,153.419) 1(138.35,191.419) 1(139.11,172.495) 1(143.2,229.419) 1(143.86,210.419) 1(146.235,153.419) 1(147.95,172.419) 1(148.51,191.419) 1(152.7,210.419) 1(153.36,229.419) 1(157.35,191.419) 1(158.11,172.419) 1(162.2,229.419) 1(162.86,210.419) 1(166.95,172.419) 1(167.51,191.419) 1(169.325,153.419) 1(171.7,210.419) 1(172.36,229.419) 1(176.35,191.419) 1(177.11,172.419) 1(179.485,153.419) 1(181.2,229.419) 1(181.86,210.419) 1(185.95,172.419) 1(186.51,191.419) 1(190.7,210.419) 1(191.36,229.419) 1(195.35,191.419) 1(196.11,172.419) 1(200.2,229.419) 1(200.86,210.419) 1(202.701,153.419) 1(204.95,172.419) 1(205.51,191.419) 1(207.325,153.419) 1(209.7,210.419) 1(210.36,229.419) 1(212.861,153.419) 1(214.35,191.419) 1(215.11,172.419) 1(217.485,153.419) 1(219.2,229.419) 1(219.86,210.419) 1(223.95,172.419) 1(224.51,191.419) 1(228.7,210.419) 1(229.36,229.419) 1(233.35,191.419) 1(234.11,172.419) 1(238.2,229.419) 1(238.86,210.419) 1(240.575,153.419) 1(242.95,172.419) 1(243.51,191.419) 1(247.7,210.419) 1(248.36,229.419) 1(250.735,153.419) 1(252.35,191.419) 1(253.11,172.419) 1(257.2,229.419) 1(257.86,210.419) 1(261.95,172.419) 1(262.51,191.419) 1(266.7,210.419) 1(267.36,229.419) 1(271.35,191.419) 1(272.11,172.419) 1(276.2,229.419) 1(276.86,210.419) 1(278.575,153.419) 1(280.95,172.419) 1(281.51,191.419) 1(285.7,210.419) 1(286.36,229.419) 1(288.735,153.419) 1(290.35,191.419) 1(291.11,172.419) 1(295.2,229.419) 1(295.86,210.419) 1(299.95,172.419) 1(300.51,191.419) 1(302.325,153.419) 1(304.7,210.419) 1(305.36,229.419) 1(309.35,191.419) 1(310.11,172.419) 1(312.485,153.419) 1(314.2,229.419) 1(314.86,210.419) 1(319.51,191.419) 1(323.7,210.419) 1(324.36,229.419) 1(326.075,172.419) 1(328.45,191.419) 1(333.2,153.419) 1(333.86,210.419) 1(336.235,172.419) 1(338.61,191.419) 1(340.325,191.419) 1(342.7,229.419) 1(343.36,153.419) 1(347.45,210.419) 1(350.485,191.419) 1(352.2,153.419) 1(352.2,172.419) 1(352.86,229.419) 1(354.905,195.839) 1(354.905,205.999) 1(357.61,210.419) 1(362.36,153.419) 1(362.36,172.419) 1(371.2,153.419) 1(371.2,172.343) 1(371.2,191.343) 1(371.2,210.343) 1(371.2,229.343) 1(381.36,153.419) 1(381.36,172.343) 1(381.36,191.343) 1(381.36,210.343) 1(381.36,229.343)